# KiCad board DAB.kicad_pcb
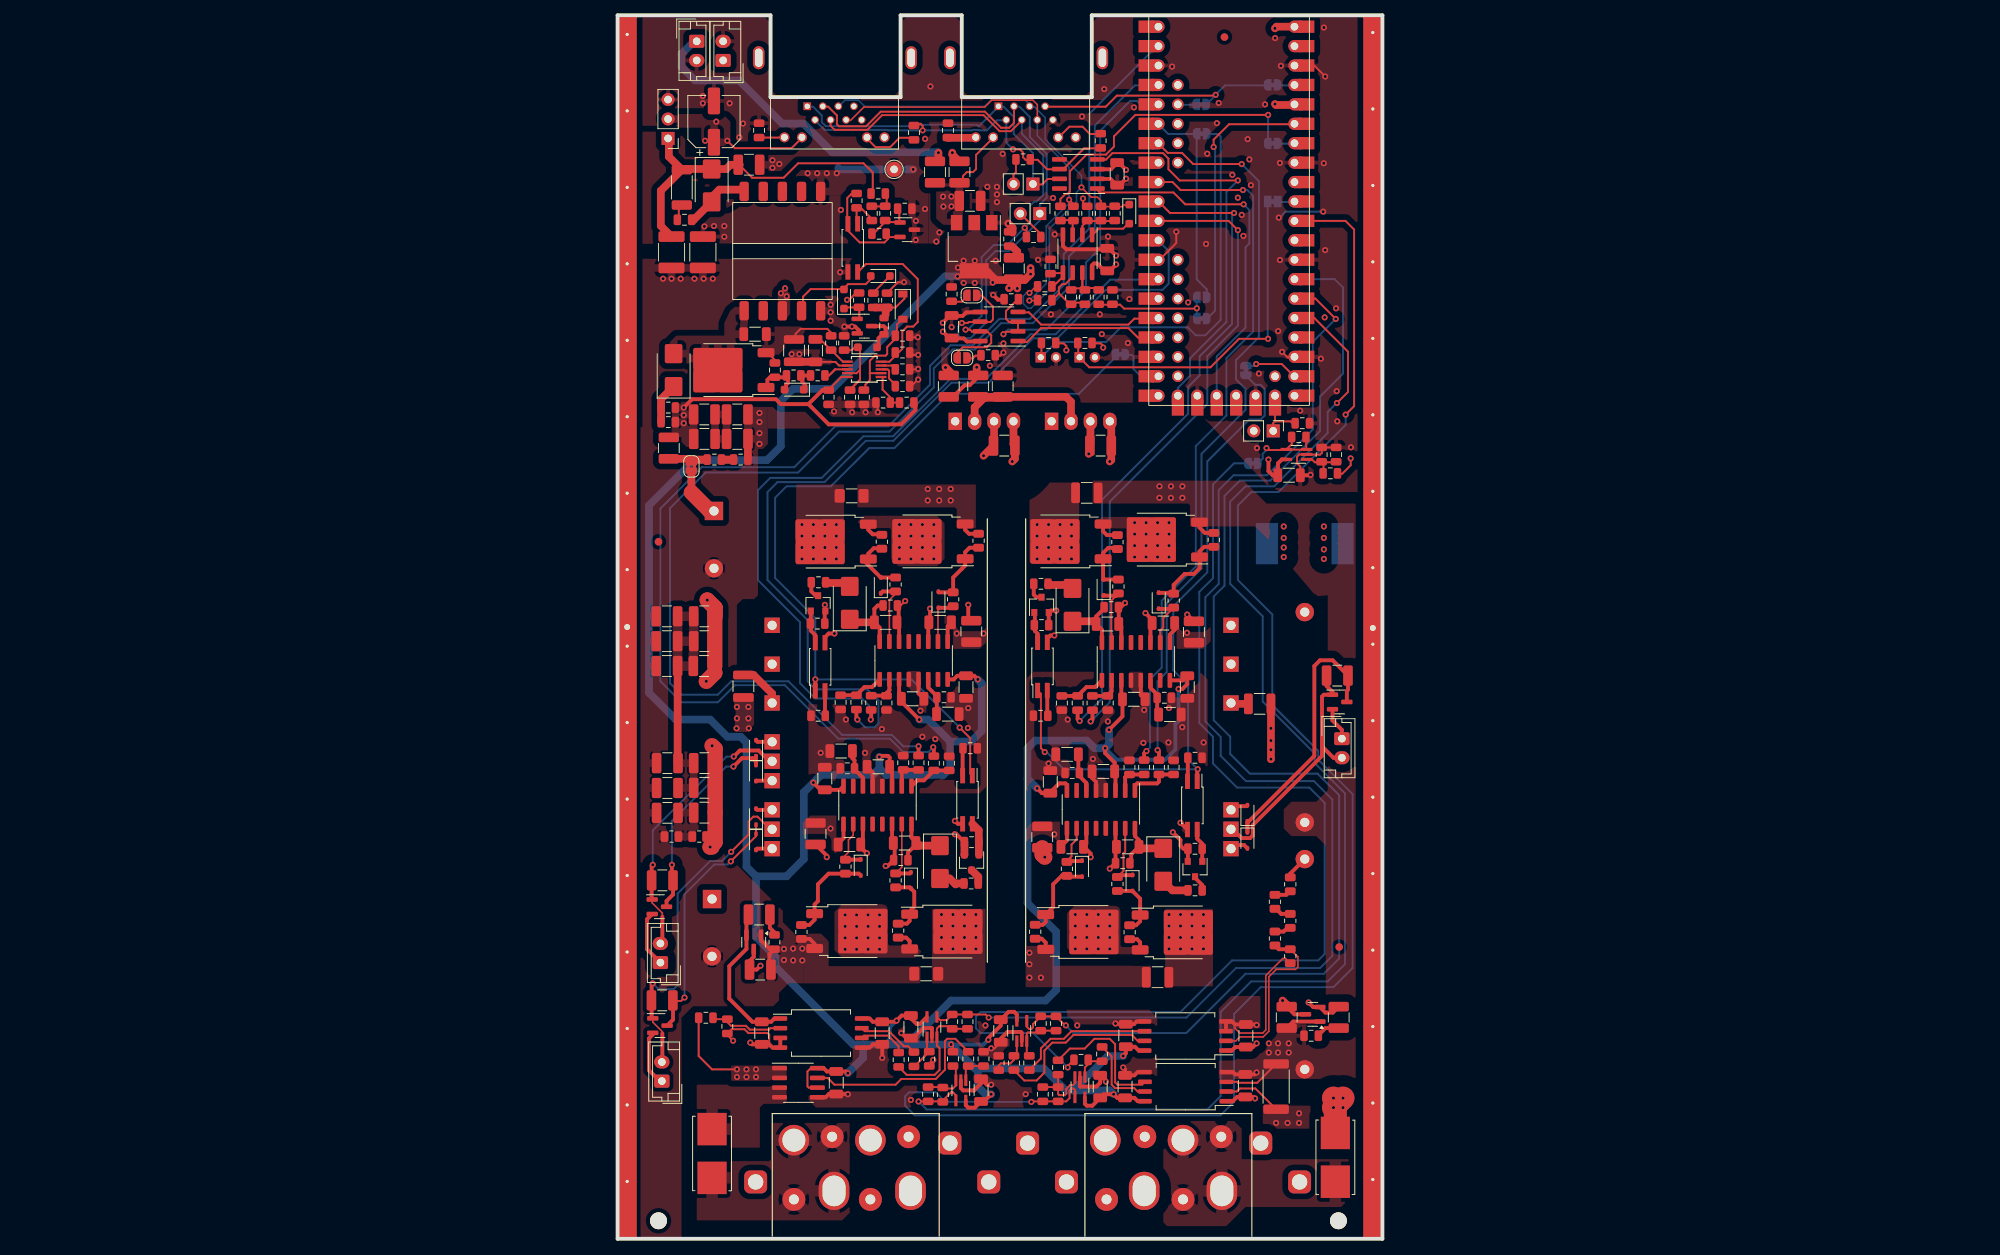
[diagram p0: board, top side]
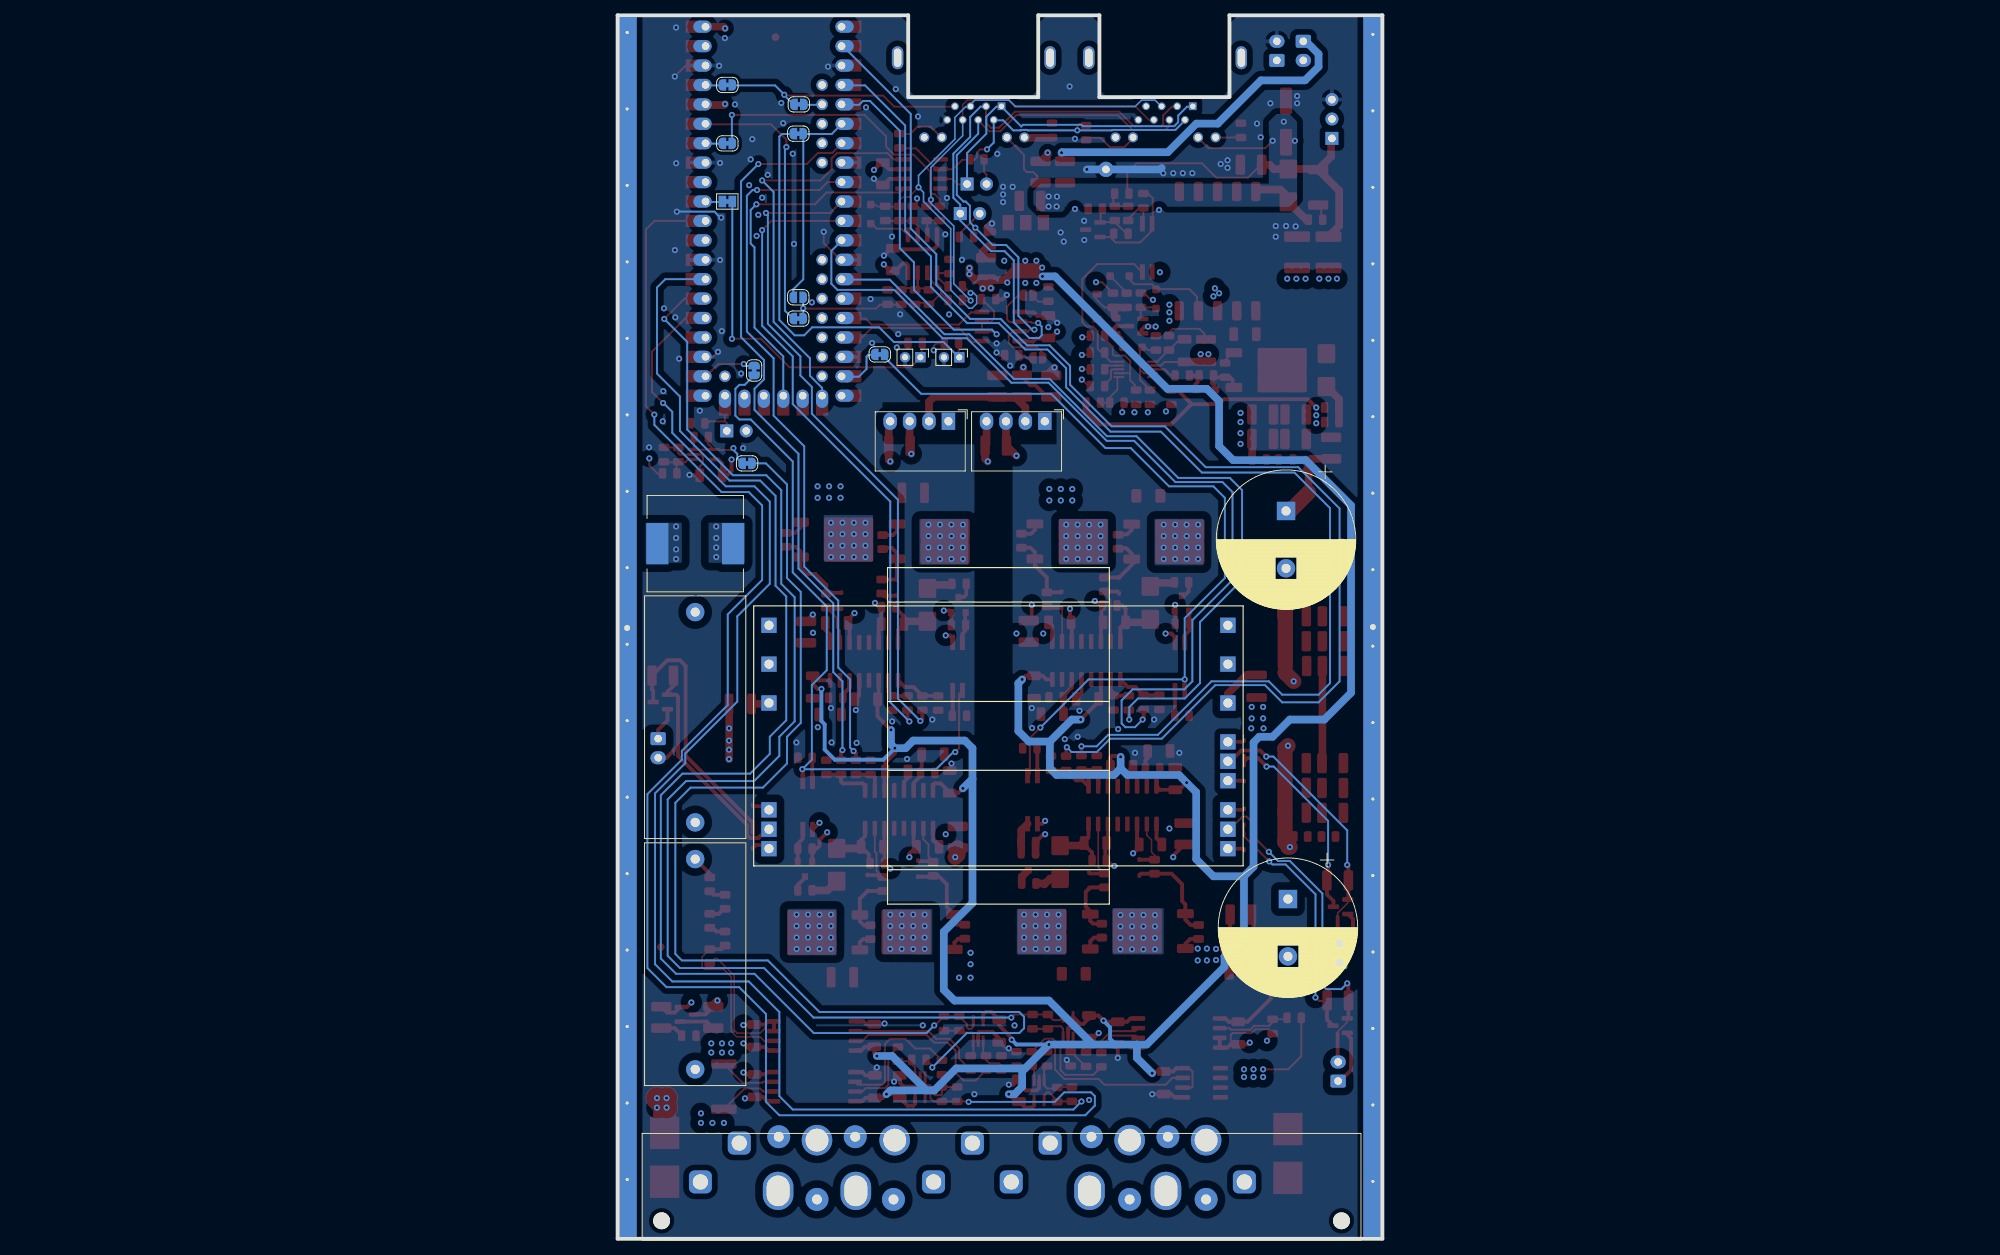
[diagram p1: board, bottom side, seen from below]

Outline 100 x 160 mm; copper layers: Top, In1.Cu, In2.Cu, In3.Cu, In4.Cu, Bottom. Coordinates in mm from the lower left corner of the outline.
Outline path: 0,160 0,0 100,0 100,160 62,160 62,149.3 45,149.3 45,160 37,160 37,149.3 20,149.3 20,160 0,160
Stack: Top 0.035mm / dielectric 0.1mm FR4 er 4.5 / In1.Cu 0.035mm / dielectric 0.535mm FR4 er 4.5 / In2.Cu 0.035mm / dielectric 0.1mm FR4 er 4.5 / In3.Cu 0.035mm / dielectric 0.535mm FR4 er 4.5 / In4.Cu 0.035mm / dielectric 0.1mm FR4 er 4.5 / Bottom 0.035mm

## Placement (name value [footprint] x y rotation side)
C1  100nF  [C_1206_3216Metric_Pad1.33x1.80mm_HandSolder]  30.6 97.15 0 top
C2  100nF  [C_1206_3216Metric_Pad1.33x1.80mm_HandSolder]  40.35 34.65 180 top
C3  100nF  [C_1210_3225Metric#2]  70.6 34.2 180 top
C4  100nF  [C_1210_3225Metric#2]  61.35 97.55 0 top
C101  4.7uF  [C_1210_3225Metric#2]  16.45 72.25 90 top
C102  2.2uF  [C_1210_3225Metric#2]  83.95 69.95 0 top
C201  100nF  [C_1206_3216Metric]  38.57 70.61 0 top
C202  100nF  [C_1206_3216Metric]  45.56 72.15 270 top
C203  20pF  [C_0805_2012Metric]  29.16 70.15 90 top
C204  20pF  [C_0805_2012Metric]  35.16 70.08 270 top
C205  100nF  [C_1206_3216Metric]  43.18 68.61 0 top
C206  100nF  [C_1206_3216Metric]  35.05 80.61 0 top
C207  1uF  [C_0805_2012Metric]  35.65 82.81 0 top
C208  100nF  [C_1206_3216Metric]  42.18 80.61 0 top
C209  10uF  [C_1210_3225Metric]  46.25 79.43 270 top
C301  100nF  [C_1206_3216Metric]  18.85 26.9 90 top
C302  100nF  [C_1206_3216Metric]  34.6 26.9 90 top
C303  100nF  [C_1206_3216Metric]  28.59 20.4 90 top
C304  82uF  [CP_Radial_D18.0mm_P7.50mm]  12.6 95.18 270 bottom
C305  20pF  [C_0805_2012Metric]  45.75 28.39 90 top
C306  4.7uF  [C_1210_3225Metric]  11.35 81.4 180 top
C307  4.7uF  [C_1210_3225Metric]  6.45 81.4 180 top
C308  4.7uF  [C_1210_3225Metric]  11.35 78.15 180 top
C309  4.7uF  [C_1210_3225Metric]  6.45 78.15 180 top
C310  4.7uF  [C_1210_3225Metric]  11.3 74.9 180 top
C311  4.7uF  [C_1210_3225Metric]  6.45 74.9 180 top
C312  4.7uF  [C_1210_3225Metric]  11.35 62.2 180 top
C313  4.7uF  [C_1210_3225Metric]  6.5 62.2 180 top
C314  4.7uF  [C_1210_3225Metric]  11.35 55.72 180 top
C315  4.7uF  [C_1210_3225Metric]  6.5 55.7 180 top
C316  100nF  [C_1206_3216Metric]  38.35 27.71 270 top
C317  82uF  [CP_Radial_D18.0mm_P7.50mm]  12.35 44.43 270 bottom
C318  4.7uF  [C_1210_3225Metric]  11.35 58.97 180 top
C319  4.7uF  [C_1210_3225Metric]  6.5 58.95 180 top
C322  20pF  [C_0805_2012Metric]  40.6 18.9 270 top
C323  100nF  [C_1206_3216Metric]  47.52 19.43 90 top
C401  100nF  [C_1206_3216Metric]  65.32 139.26 270 top
C402  22nF  [C_0805_2012Metric]  64.7 123.15 90 top
C410  100nF  [C_1206_3216Metric]  43.68 119.27 90 top
C411  20pF  [C_0805_2012Metric]  61.1 123.15 270 top
C412  20pF  [C_0805_2012Metric]  65 134.1 90 top
C413  100nF  [C_1206_3216Metric]  64.02 128.05 90 top
C501  100nF  [C_1206_3216Metric]  82.07 20.02 90 top
C502  100nF  [C_1206_3216Metric]  82.15 26.55 270 top
C503  100nF  [C_1206_3216Metric]  66.35 19.9 90 top
C504  100nF  [C_1206_3216Metric]  66.45 26.59 270 top
C505  100nF  [C_1206_3216Metric]  63.1 19.9 90 top
C506  20pF  [C_0805_2012Metric]  55.32 28.15 90 top
C507  20pF  [C_0805_2012Metric]  55.6 18.9 270 top
C508  100nF  [C_1206_3216Metric]  50.1 27.18 270 top
C511  10uF  [C_Rect_L31.5mm_W13.0mm_P27.50mm_MKS4]  89.85 81.95 270 bottom
C512  10uF  [C_Rect_L31.5mm_W13.0mm_P27.50mm_MKS4]  89.85 49.65 270 bottom
C601  4.7uF  [C_1210_3225Metric]  5.85 46.87 180 top
C602  4.7uF  [C_1210_3225Metric]  5.83 31.18 180 top
C603  4.7uF  [C_1210_3225Metric]  94.1 73.65 180 top
C701  100nF  [C_1206_3216Metric]  34.09 61.72 180 top
C702  100nF  [C_1206_3216Metric]  27.09 60.18 90 top
C703  20pF  [C_0805_2012Metric]  43.35 62.18 270 top
C704  20pF  [C_0805_2012Metric]  37.35 62.26 90 top
C705  100nF  [C_1206_3216Metric]  29.23 63.78 180 top
C706  100nF  [C_1206_3216Metric]  37.52 51.75 180 top
C707  1uF  [C_0805_2012Metric]  37.03 49.52 180 top
C708  100nF  [C_1206_3216Metric]  30.31 51.55 180 top
C709  10uF  [C_1210_3225Metric]  25.89 52.97 90 top
C801  100nF  [C_1206_3216Metric]  63.52 61.12 180 top
C802  100nF  [C_1206_3216Metric]  56.57 59.75 90 top
C803  20pF  [C_0805_2012Metric]  72.7 61.66 270 top
C804  20pF  [C_0805_2012Metric]  66.93 61.65 90 top
C805  100nF  [C_1206_3216Metric]  58.77 63.35 180 top
C806  100nF  [C_1206_3216Metric]  66.7 51.25 180 top
C807  1uF  [C_0805_2012Metric]  66.04 49.11 180 top
C808  100nF  [C_1206_3216Metric]  59.44 51.25 180 top
C809  10uF  [C_1210_3225Metric]  55.52 52.53 90 top
C901  100nF  [C_1206_3216Metric]  67.49 70.55 0 top
C902  100nF  [C_1206_3216Metric]  74.49 72.15 270 top
C903  20pF  [C_0805_2012Metric]  58.09 70.06 90 top
C904  20pF  [C_0805_2012Metric]  64.09 70.06 270 top
C905  100nF  [C_1206_3216Metric]  72.21 68.55 0 top
C906  100nF  [C_1206_3216Metric]  64.05 80.4 0 top
C907  1uF  [C_0805_2012Metric]  64.55 82.59 0 top
C908  100nF  [C_1206_3216Metric]  71.36 80.52 0 top
C909  10uF  [C_1210_3225Metric]  75.36 79.34 270 top
C1001  10uF  [C_1210_3225Metric]  18.51 42.4 0 top
C1002  10uF  [C_1210_3225Metric]  18.65 35.2 0 top
C1003  10uF  [C_1210_3225Metric]  50.55 103.72 180 top
C5001  20pF  [C_0805_2012Metric]  93.95 102.55 270 top
C5002  470nF  [C_0805_2012Metric]  12.65 101.9 0 top
C5003  470nF  [C_0805_2012Metric]  16.1 101.9 0 top
C5004  100nF  [C_1206_3216Metric]  87.79 99.85 0 top
C5005  4.7uF  [C_1210_3225Metric]  11.35 104.6 0 top
C5006  4.7uF  [C_1210_3225Metric]  15.65 104.6 0 top
C5007  20pF  [C_0805_2012Metric]  89.07 104.85 180 top
C5008  4.7uF  [C_1210_3225Metric]  11.34 107.8 0 top
C5009  4.7uF  [C_1210_3225Metric]  15.65 107.8 0 top
C5010  22nF  [C_0805_2012Metric]  32.2 110.05 270 top
C5011  22nF  [C_0805_2012Metric]  37.25 111.5 0 top
C5012  10uF  [C_1210_3225Metric]  46.07 135.73 0 top
C5013  1nF  [C_0805_2012Metric]  37.25 115.9 0 top
C5014  10uF  [C_1210_3225Metric]  51.81 126.89 90 top
C5015  100nF  [C_0805_2012Metric]  27.6 110.05 270 top
C5016  100pF  [C_1206_3216Metric]  25.87 116.15 270 top
C5017  1uF  [C_0805_2012Metric]  29.62 117.15 90 top
C5018  10uF  [C_1210_3225Metric]  94.29 28.95 270 top
C5019  1uF  [C_0805_2012Metric]  35.24 122.73 90 top
C5020  10uF  [C_1210_3225Metric]  87.49 28.95 270 top
C5021  6.8nF  [C_0805_2012Metric]  6.62 108.7 180 top
C5022  100pF  [C_1206_3216Metric]  17.97 118.3 0 top
C5023  10uF  [C_1210_3225Metric]  63.15 103.72 180 top
C5024  2.2nF  [C_1812_4532Metric]  11.15 129.01 90 top
C5025  2.2nF  [C_1812_4532Metric]  7.05 129.01 90 top
C5026  1nF  [C_0805_2012Metric]  8.75 133.26 180 top
C5027  10uF  [C_1210_3225Metric]  50.35 111.5 90 top
C5028  10uF  [C_1210_3225Metric]  17.18 140.46 0 top
C5029  10uF  [C_1210_3225Metric]  43.3 111.5 90 top
C5030  6.8nF  [C_0805_2012Metric]  34.19 131.44 180 top
C5031  100uF  [CP_Elec_6.3x7.7]  12.6 146.1 90 top
D201  PU3DBH  [D_SMB]  30.35 83.16 90 top
D301  STPS0520Z  [D_SOD-323]  34.41 85.45 90 top
D302  STPS0520Z  [D_SOD-323]  41.95 83.56 90 top
D303  STPS0520Z  [D_SOD-323]  31.79 48.55 270 top
D304  STPS0520Z  [D_SOD-323]  38.35 46.86 270 top
D403  PMEG3010CEJ,115  [D_SOD-323_HandSoldering]  66.9 134 270 top
D501  STPS0520Z  [D_SOD-323]  67.33 46.53 270 top
D502  STPS0520Z  [D_SOD-323]  60.73 48.4 270 top
D503  STPS0520Z  [D_SOD-323]  63.55 85.2 90 top
D504  STPS0520Z  [D_SOD-323]  70.75 83.45 90 top
D601  STPS0520Z  [D_SOD-323]  18.1 64.15 90 top
D602  STPS0520Z  [D_SOD-323]  18.1 60.9 270 top
D603  STPS0520Z  [D_SOD-323]  18.1 55.19 90 top
D604  STPS0520Z  [D_SOD-323]  18.1 51.9 270 top
D605  STPS0520Z  [D_SOD-323]  82.35 55.65 90 top
D606  STPS0520Z  [D_SOD-323]  82.35 52.11 270 top
D701  PU3DBH  [D_SMB]  42.15 49.26 270 top
D801  PU3DBH  [D_SMB]  71.35 48.9 270 top
D901  PU3DBH  [D_SMB]  59.48 82.9 90 top
D5001  6.2V  [D_SOD-123]  37.3 121.9 270 top
D5002  PMEG3010CEJ,115  [D_SOD-323_HandSoldering]  32.67 116.58 0 top
D5003  PMEG3010CEJ,115  [D_SOD-323_HandSoldering]  23.08 111.04 180 top
D5004  PU3DBH  [D_SMB]  7.33 113.6 90 top
D5005  BAS20HT1G  [D_SOD-323_HandSoldering]  34.35 125.9 180 top
D5006  BAS20HT1G  [D_SOD-323_HandSoldering]  29.6 122.9 90 top
D5007  PU3DBH  [D_SMB]  12.3 137.75 270 top
F101  8A  [Fuse_holder_omni_blok]  12.35 11.15 270 top
F102  8A  [Fuse_holder_omni_blok]  93.85 10.65 90 top
F5001  0ZCH0035FF2G  [Fuse_1210_3225Metric]  41.5 139.5 90 top
F5002  0ZCH0035FF2G  [Fuse_1210_3225Metric]  44.7 139.5 90 top
FID101  Fiducial  [Fiducial_1mm_Mask2mm]  79.35 157.15 0 top
FID102  Fiducial  [Fiducial_1mm_Mask2mm]  5.35 91.15 0 top
FID103  Fiducial  [Fiducial_1mm_Mask2mm]  94.35 38.15 0 top
J101  -  [Harting - 15contacts and Wago]  18.05 7.43 180 top
J103  B2B-EH-A(LF)(SN)  [JST_EH_B2B-EH-A_1x02_P2.50mm_Vertical]  5.6 36.12 90 top
J104  B2B-EH-A(LF)(SN)  [JST_EH_B2B-EH-A_1x02_P2.50mm_Vertical]  5.79 20.62 90 top
J105  B2B-EH-A(LF)(SN)  [JST_EH_B2B-EH-A_1x02_P2.50mm_Vertical]  94.7 65.4 270 top
J403  RJE721881411  [ethernet_RJE721881411]  24.8 148.1 0 top
J404  RJE721881411  [ethernet_RJE721881411]  49.8 148.1 0 top
J5001  B2B-EH-A(LF)(SN)  [JST_EH_B2B-EH-A_1x02_P2.50mm_Vertical]  10.34 156.6 270 top
J5002  B2B-EH-A(LF)(SN)  [JST_EH_B2B-EH-A_1x02_P2.50mm_Vertical]  13.8 154.1 90 top
J5003  Header_2_54_01x03  [PinHeader_1x03_P2.54mm_Vertical]  6.6 143.9 180 top
JP401  Jumper  [PinHeader_1x02_P2.54mm_Vertical]  54.3 137.94 270 top
JP402  Jumper_2_Open  [PinHeader_1x02_P2.54mm_Vertical]  85.72 105.65 270 top
JP403  Jumper  [PinHeader_1x02_P2.54mm_Vertical]  55.2 134.07 270 top
JP405  Jumper_2_Bridged  [SolderJumper-2_P1.3mm_Bridged_Pad1.0x1.5mm]  85.65 135.65 180 bottom
JP406  Jumper_2_Bridged  [SolderJumper-2_P1.3mm_Bridged_RoundedPad1.0x1.5mm]  76.37 144.52 0 bottom
JP408  SolderJumper_2_Open  [SolderJumper-2_P1.3mm_Open_RoundedPad1.0x1.5mm]  46.32 123.39 0 top
JP409  SolderJumper_2_Open  [SolderJumper-2_P1.3mm_Open_RoundedPad1.0x1.5mm]  45.05 115.2 0 top
JP410  Jumper_2_Bridged  [SolderJumper-2_P1.3mm_Open_RoundedPad1.0x1.5mm]  76.38 123.12 180 bottom
JP411  Jumper_2_Bridged  [SolderJumper-2_P1.3mm_Bridged_RoundedPad1.0x1.5mm]  76.38 120.34 180 bottom
JP412  Jumper_2_Bridged  [SolderJumper-2_P1.3mm_Bridged_RoundedPad1.0x1.5mm]  82.15 113.55 90 bottom
JP413  Jumper_2_Bridged  [SolderJumper-2_P1.3mm_Bridged_RoundedPad1.0x1.5mm]  65.72 115.65 0 bottom
JP414  Jumper_2_Bridged  [SolderJumper-2_P1.3mm_Bridged_RoundedPad1.0x1.5mm]  85.65 150.89 180 bottom
JP415  Jumper_2_Bridged  [SolderJumper-2_P1.3mm_Bridged_RoundedPad1.0x1.5mm]  76.3 148.35 0 bottom
JP417  Jumper_2_Bridged  [SolderJumper-2_P1.3mm_Bridged_RoundedPad1.0x1.5mm]  85.65 143.25 180 bottom
JP5001  Jumper_2_Bridged  [SolderJumper-2_P1.3mm_Bridged2Bar_RoundedPad1.0x1.5mm]  9.65 101 90 top
JP5002  SolderJumper  [SolderJumper-2_P1.3mm_Bridged_RoundedPad1.0x1.5mm]  83.07 101.4 180 bottom
L101  270uH  [L_Wuerth_WE-PD-Typ-LS]  89.85 90.9 180 bottom
L5001  10uH  [L_1210_3225Metric]  6.7 103.4 90 top
L5002  100uH  [L_0805_2012Metric]  34.84 119.35 90 top
L5003  22uH  [L_1210_3225Metric]  47.15 111.5 270 top
N101  Housing_Pad  [Guard_ring]  0 160 0 top
NTC5001  100kNTC  [R_0805_2012Metric#2]  37.25 118.1 0 top
PS1001  IL0512S  [SMU02_Mean_Well]  44.14 106.91 270 bottom
PS5001  IL0512S  [SMU02_Mean_Well]  56.74 106.91 270 bottom
Q201  DMP3099-x  [SOT-23#2]  26.21 83.1 90 top
Q301  IPD200N15N3GATMA1  [TO-252-2]  27.74 91.17 180 top
Q302  IPD200N15N3GATMA1  [TO-252-2]  40.4 91.2 180 top
Q303  IPD200N15N3GATMA1  [TO-252-2]  43.23 40.18 0 top
Q304  IPD200N15N3GATMA1  [TO-252-2]  30.8 40.24 0 top
Q501  IPD60R210PFD7SAUMA1  [TO-252-2]  73.37 40.06 0 top
Q502  IPD60R210PFD7SAUMA1  [TO-252-2]  61.02 40.12 0 top
Q503  IPD60R210PFD7SAUMA1  [TO-252-2]  58.44 91.2 180 top
Q504  IPD60R210PFD7SAUMA1  [TO-252-2]  71.04 91.43 180 top
Q701  DMP3099-x  [SOT-23#2]  46.29 49.21 270 top
Q801  DMP3099-x  [SOT-23#2]  75.5 48.35 270 top
Q901  DMP3099-x  [SOT-23#2]  55.43 82.9 90 top
Q5001  DMN10H220L-7  [SOT-23_copy]  32.27 119.35 0 top
Q5002  TK13P25D,RQ  [TO-252-2]  14.37 113.6 180 top
R201  51R  [R_0805_2012Metric#2]  31.22 70.15 90 top
R202  51R  [R_0805_2012Metric#2]  33.16 70.09 90 top
R203  20k  [R_0805_2012Metric#2]  42.67 70.81 180 top
R204  470R  [R_0805_2012Metric#2]  26.22 68.4 180 top
R205  12k  [R_0805_2012Metric#2]  26.15 80.45 0 top
R206  2.2R  [R_0805_2012Metric#2]  26.26 85.85 0 top
R301  27k  [R_0805_2012Metric#2]  38.75 23.47 270 top
R302  27k  [R_0805_2012Metric#2]  36.75 23.41 270 top
R303  27k  [R_0805_2012Metric#2]  40.75 23.54 90 top
R304  27k  [R_0805_2012Metric#2]  43.75 28.39 90 top
R305  330k  [R_0805_2012Metric#2]  11.54 28.9 0 top
R306  5.6k  [R_0805_2012Metric#2]  14.35 27.78 270 top
R307  5.9k  [R_0805_2012Metric#2]  45.85 23.52 270 top
R308  20k  [R_0805_2012Metric#2]  43.85 23.52 270 top
R309  20k  [R_0805_2012Metric#2]  47.85 23.52 90 top
R310  5.9k  [R_0805_2012Metric#2]  42.52 18.84 270 top
R401  120R  [R_0805_2012Metric#2]  53.02 141.16 0 top
R402  470R  [R_0805_2012Metric#2]  38.75 144.65 90 top
R403  4.7k  [R_0805_2012Metric#2]  18.5 144.95 270 top
R404  470R  [R_0805_2012Metric#2]  63.16 143.59 270 top
R405  4.7k  [R_0805_2012Metric#2]  43.2 144.95 90 top
R406  20k  [R_0805_2012Metric#2]  56.35 117.15 0 top
R407  20k  [R_0805_2012Metric#2]  61.1 117.15 0 top
R408  51R  [R_0805_2012Metric#2]  62.9 123.15 90 top
R409  4.7k  [R_0805_2012Metric#2]  43.67 123.54 270 top
R410  120R  [R_0805_2012Metric#2]  54.39 131.01 180 top
R411  4.7k  [R_0805_2012Metric#2]  48.45 115.55 0 top
R412  4.7k  [R_0805_2012Metric#2]  51.48 122.87 180 top
R413  4.7k  [R_0805_2012Metric#2]  57.9 134.09 270 top
R414  4.7k  [R_0805_2012Metric#2]  61.4 134.09 270 top
R415  4.7k  [R_0805_2012Metric#2]  59.3 123.15 270 top
R416  4.7k  [R_0805_2012Metric#2]  63.2 134.09 90 top
R417  4.7k  [R_0805_2012Metric#2]  59.6 134.09 90 top
R418  4.7k  [R_0805_2012Metric#2]  55.85 122.75 180 top
R419  4.7k  [R_0805_2012Metric#2]  55.85 124.55 180 top
R420  4.7k  [R_0805_2012Metric#2]  56.6 127.15 270 top
R421  27k  [R_0805_2012Metric#2]  89.53 106.65 0 top
R501  27k  [R_0805_2012Metric#2]  51.82 22.99 90 top
R502  27k  [R_0805_2012Metric#2]  63.35 24.15 270 top
R503  27k  [R_0805_2012Metric#2]  57.6 22.4 270 top
R504  27k  [R_0805_2012Metric#2]  53.82 22.99 90 top
R505  27k  [R_0805_2012Metric#2]  49.82 22.99 270 top
R506  12k  [R_0805_2012Metric#2]  60.6 23.4 0 top
R507  27k  [R_0805_2012Metric#2]  57.32 28.15 90 top
R508  12k  [R_0805_2012Metric#2]  57.6 18.9 270 top
R514  33mO  [R_2512_6332Metric]  86.1 19.9 90 top
R701  51R  [R_0805_2012Metric#2]  41.35 62.18 270 top
R702  51R  [R_0805_2012Metric#2]  39.35 62.25 270 top
R703  20k  [R_0805_2012Metric#2]  30.04 61.52 0 top
R704  470R  [R_0805_2012Metric#2]  46.1 64.15 0 top
R705  12k  [R_0805_2012Metric#2]  46.29 51.86 180 top
R706  2.2R  [R_0805_2012Metric#2]  46.23 46.46 180 top
R801  51R  [R_0805_2012Metric#2]  70.78 61.66 270 top
R802  51R  [R_0805_2012Metric#2]  68.84 61.66 270 top
R803  20k  [R_0805_2012Metric#2]  59.45 60.92 0 top
R804  470R  [R_0805_2012Metric#2]  75.49 62.9 0 top
R805  12k  [R_0805_2012Metric#2]  75.5 51 180 top
R806  2.2R  [R_0805_2012Metric#2]  75.5 45.56 180 top
R901  51R  [R_0805_2012Metric#2]  60.15 70.06 90 top
R902  51R  [R_0805_2012Metric#2]  62.09 70.06 90 top
R903  20k  [R_0805_2012Metric#2]  71.49 70.75 180 top
R904  470R  [R_0805_2012Metric#2]  55.31 68.4 180 top
R905  12k  [R_0805_2012Metric#2]  55.43 80.25 0 top
R906  2.2R  [R_0805_2012Metric#2]  55.35 85.65 0 top
R1001  2.2R  [R_0805_2012Metric#2]  20.51 38.8 90 top
R5001  47k  [R_0805_2012Metric#2]  93.19 100.1 180 top
R5002  12k  [R_0805_2012Metric#2]  92.05 102.55 90 top
R5003  47k  [R_0805_2012Metric#2]  37.8 109.35 180 top
R5004  4.7k  [R_0805_2012Metric#2]  34.71 109.35 0 top
R5005  100k  [R_0805_2012Metric#2]  37.25 113.7 0 top
R5006  2.2R  [R_0805_2012Metric#2]  51.2 130.75 270 top
R5007  1.4k  [R_0805_2012Metric#2]  30.4 110.05 270 top
R5008  2.2R  [R_0805_2012Metric#2]  26.17 112.9 180 top
R5009  470R  [R_0805_2012Metric#2]  27.92 117.15 90 top
R5010  10R  [R_0805_2012Metric#2]  23.02 112.9 180 top
R5011  2.2R  [R_0805_2012Metric#2]  90.69 26.55 0 top
R5012  12k  [R_0805_2012Metric#2]  20.57 113.6 270 top
R5013  330k  [R_0805_2012Metric#2]  6.62 106.8 180 top
R5014  240m  [R_1210_3225Metric]  23.07 116.15 270 top
R5015  10R  [R_0805_2012Metric#2]  33.44 122.73 90 top
R5016  1.4k  [R_0805_2012Metric#2]  31.57 122.75 90 top
R5017  10R  [R_2010_5025Metric]  8.4 137.5 90 top
R5018  1.4k  [R_0805_2012Metric#2]  33.24 134.1 270 top
R5019  12k  [R_0805_2012Metric#2]  31.25 135.76 270 top
R5020  10R  [R_0805_2012Metric#2]  34.07 136.69 0 top
R5021  38.3k  [R_0805_2012Metric#2]  34.99 134.1 270 top
R5022  27k  [R_0805_2012Metric#2]  37.55 134.71 0 top
Rb301  1M  [R_0805_2012Metric]  10.67 52.6 180 top
Rb302  1M  [R_0805_2012Metric]  7.05 52.6 180 top
RGH301  2,2  [R_0805_2012Metric]  36.35 85.56 90 top
RGH302  2,2  [R_0805_2012Metric]  36.35 46.86 270 top
RGH501  2,2  [R_0805_2012Metric]  65.35 46.4 270 top
RGH502  2,2  [R_0805_2012Metric]  65.48 85.3 90 top
RGL301  2,2  [R_0805_2012Metric]  43.88 83.62 90 top
RGL302  2,2  [R_0805_2012Metric]  29.79 48.66 270 top
RGL501  2,2  [R_0805_2012Metric]  58.75 48.38 270 top
RGL502  2,2  [R_0805_2012Metric]  72.71 83.46 90 top
RpdH301  1k  [R_0805_2012Metric]  34.55 91.15 270 top
RpdH302  1k  [R_0805_2012Metric]  36.69 40.3 90 top
RpdH501  1k  [R_0805_2012Metric]  66.95 40.09 90 top
RpdH502  1k  [R_0805_2012Metric]  65.35 91.11 270 top
RpdL301  1k  [R_0805_2012Metric]  47.2 91.29 270 top
RpdL302  1k  [R_0805_2012Metric]  24.04 40.12 90 top
RpdL501  1k  [R_0805_2012Metric]  54.6 40.15 90 top
RpdL502  1k  [R_0805_2012Metric]  77.95 91.4 270 top
Rv501  1M  [R_0805_2012Metric]  87.95 46.35 270 top
Rv502  1M  [R_0805_2012Metric]  85.95 44.06 270 top
Rv503  1M  [R_0805_2012Metric]  87.95 41.58 270 top
Rv504  1M  [R_0805_2012Metric]  85.95 39.26 270 top
Rv505  16K  [R_0805_2012Metric]  87.95 36.95 270 top
T101  ~  [PlanarCoreE43]  50.21 65.76 270 bottom
T5001  -  [PA2467NL]  21.55 129.16 0 top
TH401  NXFT15XH103FA2B100  [PinHeader_1x02_P2.00mm_Vertical]  55.32 115.28 270 bottom
TH402  NXFT15XH103FA2B100  [PinHeader_1x02_P2.00mm_Vertical]  60.41 115.28 270 bottom
TP5002  GND2  [TestPoint_THTPad_D2.0mm_Drill1.0mm]  36.15 139.85 0 top
U201  FODM217A  [SO-4_4.4x2.3mm_P1.27mm]  26.48 74.8 90 top
U202  UCC21222DR  [SOIC-16_3.9x9.9mm_P1.27mm]  38.71 75.62 90 top
U301  +-20A Hall  [SOIC-8_3.9x4.9mm_P1.27mm]  23.65 20.4 0 top
U302  AMC1311BDWVR  [SOIC-8_7.5x5.85mm_P1.27mm]  26.6 26.9 0 top
U303  MCP6486UT-E/LT  [SOT-353_SC-70-5_Handsoldering]  41.1 27.68 90 top
U304  MCP6486UT-E/LT  [SOT-353_SC-70-5_Handsoldering]  44.88 19.41 270 top
U401  OwnTech_SPIN  [OwnTech_SPINTHT]  70.72 110.25 90 top
U402  TCAN334GDR  [SOIC-8_3.9x4.9mm_P1.27mm]  60.25 139.25 180 top
U405  MAX33046EASA+T  [SOIC-8_3.9x4.9mm_P1.27mm]  49.88 119.31 180 top
U406  MCP6487T-E/SN  [SOIC-8_3.9x4.9mm_P1.27mm]  60.13 128.81 270 top
U501  AMC1202DWVR  [SOIC-8_7.5x5.85mm_P1.27mm]  74.28 19.89 180 top
U502  AMC1311BDWVR  [SOIC-8_7.5x5.85mm_P1.27mm]  74.22 26.52 180 top
U503  MCP6486UT-E/LT  [SOT-353_SC-70-5_Handsoldering]  60.45 19.82 270 top
U504  MCP6486UT-E/LT  [SOT-353_SC-70-5_Handsoldering]  52.85 27.18 90 top
U601  MCP1799T-5002H/TT  [SOT-23]  5.46 43.42 0 top
U602  MCP1799T-5002H/TT  [SOT-23]  5.54 27.88 0 top
U603  MCP1799T-5002H/TT  [SOT-23]  94.41 70.2 0 top
U701  FODM217A  [SO-4_4.4x2.3mm_P1.27mm]  45.75 57.41 270 top
U702  UCC21222DR  [SOIC-16_3.9x9.9mm_P1.27mm]  33.98 56.71 270 top
U801  FODM217A  [SO-4_4.4x2.3mm_P1.27mm]  75.15 56.67 270 top
U802  UCC21222DR  [SOIC-16_3.9x9.9mm_P1.27mm]  63.2 56.15 270 top
U901  FODM217A  [SO-4_4.4x2.3mm_P1.27mm]  55.55 74.85 90 top
U902  UCC21222DR  [SOIC-16_3.9x9.9mm_P1.27mm]  67.77 75.5 90 top
U1001  AZ1117CH-5.0TRG1  [SOT-23]  17.8 38.78 270 top
U5001  MCP6486UT-E/LT  [SOT-353_SC-70-5_Handsoldering]  88.77 102.58 180 top
U5002  AZ1117CH-5.0TRG1  [SOT-223-3_TabPin2]  46.63 129.74 270 top
U5003  NCP12700ADNR2G  [MSOP-10_3x3mm_P0.5mm]  32.25 113.7 180 top
U5004  AZ1117CH-5.0TRG1  [SOT-23]  90.89 29.35 180 top